# Altium PCB PC4-SODIMM_V200_RC_A1_20141015.PcbDoc (part 3 of 6)
Units mm, origin at the board's own origin, x right, y up, seen from the top; angles counter-clockwise.
Board outline 69.63 x 30.03 mm, 8 copper layers (TOP, SPLIT2, S3, VDD4, S5, S6, SPLIT7, BOTTOM), stack 1.2 mm thick; 199 components, 229 nets, 1321 pads, 785 vias.
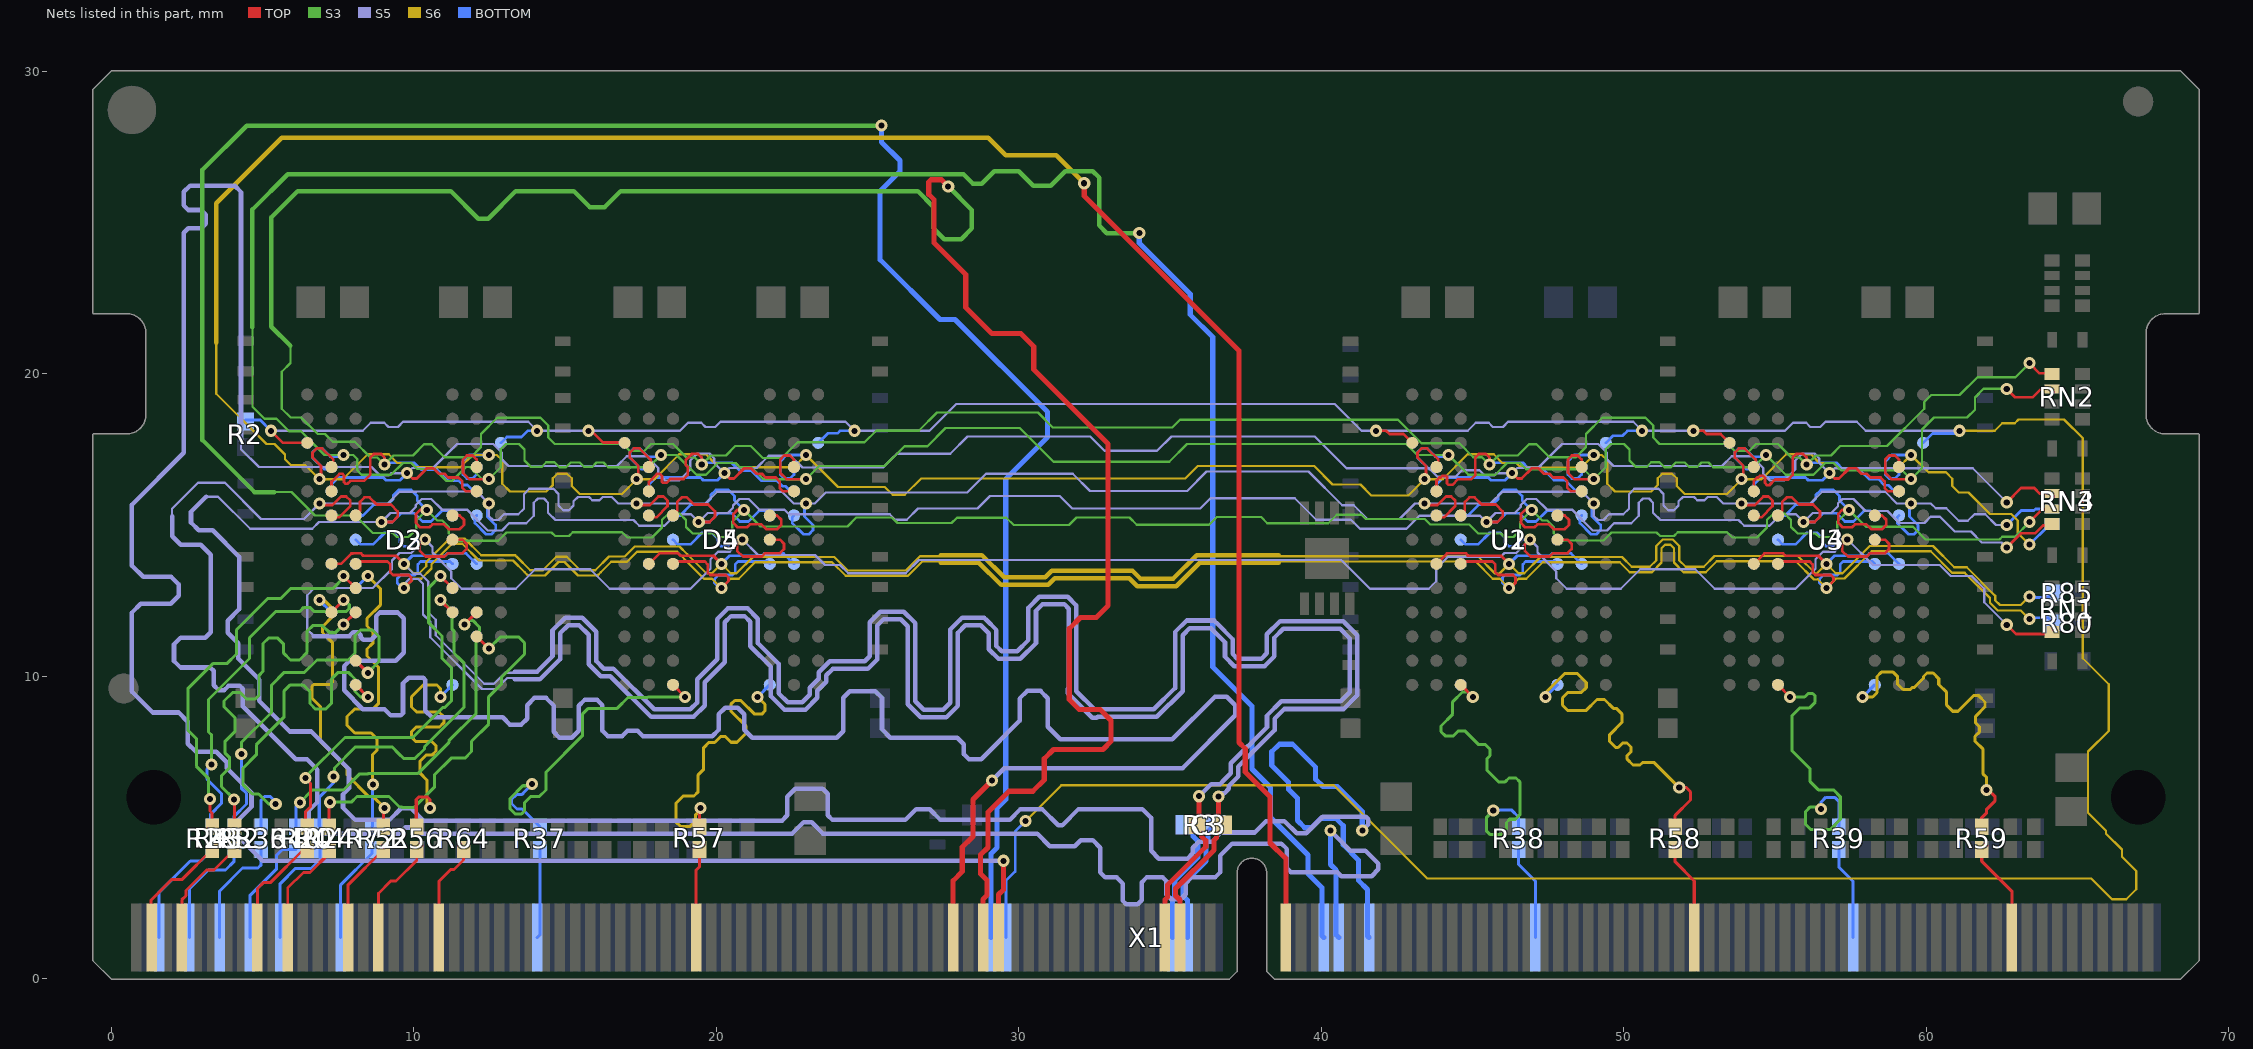
[diagram p9: the nets of this part, all layers, seen from the top]

## Via types
v1: diameter 0.4, hole 0.2, TOP to BOTTOM, tented both sides, 785 vias

## Nets (pads, with @x,y where several pads share a name; then routed paths per layer and width w, separated by ;. In a path a pad name is that pad's centre, name@x,y a point inside that pad or via, vN(x,y) a via of type N, cw(c..) or ccw(c..) an arc to the next point about the centre after c; other vN are vias at no path point) (continued)
A15: D2.H7 D3.H7 D4.H7 D5.H7 RN3.4 U1.H7 U2.H7 U3.H7 U4.H7 X1.156 | length 158.9
  TOP w0.09: D2.H7@8.073,15.317 8.212,15.456 8.212,15.768 8.362,15.918 8.531,15.918 8.769,15.68 9.235,15.68 9.461,15.454 9.461,15.276 9.285,15.1 v1(8.923,15.1) ; D4.H7@18.563,15.317 18.702,15.456 18.702,15.768 18.852,15.918 19.021,15.918 19.259,15.68 19.725,15.68 19.951,15.454 19.951,15.276 19.775,15.1 v1(19.413,15.1) ; U1.H7@44.603,15.317 44.742,15.456 44.742,15.768 44.892,15.918 45.061,15.918 45.299,15.68 45.765,15.68 45.991,15.454 45.991,15.276 45.815,15.1 v1(45.453,15.1) ; U3.H7@55.093,15.317 55.232,15.456 55.232,15.768 55.382,15.918 55.551,15.918 55.789,15.68 56.255,15.68 56.481,15.454 56.481,15.276 56.305,15.1 v1(55.943,15.1) ; v1(62.656,14.253) 63.136,14.733 63.599,14.733 63.855,14.989 64.134,14.989 RN3.4@64.149,14.974
  S5 w0.075: 3.126,15.94 3.523,15.94 4.583,14.88 6.635,14.88 6.856,15.1 v1(8.923,15.1) 9.226,15.403 9.864,15.403 10.06,15.598 10.06,15.666 10.255,15.861 10.573,15.861 10.924,15.511 11.752,15.511 12.441,14.822 12.907,14.822 13.142,15.057 13.714,15.057 13.963,15.306 13.963,15.74 14.101,15.878 14.295,15.878 14.433,15.74 14.433,15.411 14.678,15.166 17.254,15.166 17.446,14.974 18.285,14.974 18.667,15.356 19.157,15.356 v1(19.413,15.1) 19.716,15.403 20.378,15.403 20.55,15.575 20.55,15.649 20.763,15.861 21.063,15.861 21.414,15.511 22.242,15.511 22.398,15.355 25.727,15.355 25.904,15.178 26.291,15.178 26.66,15.547 28.628,15.547 29.04,15.959 31.352,15.959 31.764,15.547 35.993,15.547 36.331,15.886 39.12,15.886 39.827,15.178 40.976,15.178 41.275,14.88 42.809,14.88 43.241,15.312 45.241,15.312 v1(45.453,15.1) 45.755,15.403 46.394,15.403 46.59,15.598 46.59,15.666 46.785,15.861 47.103,15.861 47.454,15.511 48.282,15.511 48.971,14.822 49.437,14.822 49.672,15.057 50.244,15.057 50.493,15.306 50.493,15.74 50.631,15.878 50.825,15.878 50.963,15.74 50.963,15.411 51.208,15.166 53.784,15.166 53.976,14.974 54.815,14.974 55.197,15.356 55.687,15.356 v1(55.943,15.1) 56.246,15.403 56.857,15.403 57.081,15.626 57.081,15.718 57.224,15.861 57.593,15.861 57.987,15.468 58.712,15.468 59.108,15.072 59.935,15.072 60.143,15.279 60.443,15.279 60.939,14.784 61.476,14.784 61.833,14.427 62.482,14.427 v1(62.656,14.253)
  S5 w0.15: 3.126,15.94 2.628,15.442 2.628,15.083 2.882,14.829 3.344,14.829 4.216,13.957 4.216,12.219 3.839,11.842 3.839,11.442 4.193,11.088 4.193,10.589 4.889,9.893 4.889,9.185 5.898,8.176 6.609,8.176 7.852,6.933 7.852,6.3 7.653,6.101 7.653,5.659 8.06,5.252 9.19,5.252 9.576,5.638 9.909,5.638 10.295,5.252 10.322,5.225 22.168,5.225 22.345,5.402 22.345,6.021 22.602,6.278 23.519,6.278 23.679,6.118 23.679,5.409 23.836,5.252 26.246,5.252 26.598,5.604 27.052,5.604 27.404,5.252 29.69,5.252 30.05,5.612 30.764,5.612 31.295,5.081 31.438,5.081 31.969,5.612 34.075,5.612 34.369,5.318 34.369,4.228 34.623,3.974 35.572,3.974 35.751,4.153 35.751,4.336 35.952,4.537 36.381,4.537 36.681,4.837 37.793,4.837 38.167,5.211 38.778,5.211 39.181,4.808 39.494,4.808 40.045,5.359 41.466,5.359 41.551,5.274 41.551,5.101 v1(41.35,4.9)
  BOTTOM w0.09: v1(8.923,15.1) 9.285,15.1 9.58,15.395 10.004,15.395 10.284,15.115 10.562,15.115 10.919,15.472 11.118,15.472 D3.H7@11.273,15.317 ; v1(19.413,15.1) 19.775,15.1 20.07,15.395 20.494,15.395 20.774,15.115 21.052,15.115 21.409,15.472 21.608,15.472 D5.H7@21.763,15.317 ; v1(45.453,15.1) 45.815,15.1 46.11,15.395 46.534,15.395 46.814,15.115 47.092,15.115 47.449,15.472 47.648,15.472 U2.H7@47.803,15.317 ; v1(55.943,15.1) 56.305,15.1 56.6,15.395 57.024,15.395 57.304,15.115 57.582,15.115 57.939,15.472 58.138,15.472 U4.H7@58.293,15.317
  BOTTOM w0.17: v1(41.35,4.9) 41.35,5.53 40.525,6.355 40.049,6.355 39.809,6.595 39.809,6.996 39.049,7.756 38.611,7.756 38.359,7.504 38.359,7.056 38.914,6.501 38.914,6.266 39.21,5.97 39.21,5.23 39.446,4.994 39.673,4.994 39.989,5.31 40.47,5.31 40.72,5.06 40.72,4.43 41.22,3.93 41.22,3.26 41.523,2.957 41.523,1.417 X1.156@41.575,1.365
A16: D2.H8 D3.H8 D4.H8 D5.H8 RN4.2 U1.H8 U2.H8 U3.H8 U4.H8 X1.152 | length 151.9
  TOP w0.09: v1(6.873,15.717) 6.928,15.662 7.306,15.662 7.588,15.944 7.757,15.944 7.895,15.806 7.895,15.627 7.524,15.256 7.334,15.256 D2.H8@7.273,15.317 ; v1(17.363,15.717) 17.418,15.662 17.796,15.662 18.078,15.944 18.247,15.944 18.385,15.806 18.385,15.627 18.015,15.256 17.824,15.256 D4.H8@17.763,15.317 ; v1(43.403,15.717) 43.458,15.662 43.836,15.662 44.118,15.944 44.287,15.944 44.425,15.806 44.425,15.627 44.054,15.256 43.863,15.256 U1.H8@43.803,15.317 ; v1(53.893,15.717) 53.948,15.662 54.326,15.662 54.608,15.944 54.777,15.944 54.915,15.806 54.915,15.627 54.544,15.256 54.354,15.256 U3.H8@54.293,15.317
  S5 w0.075: 2.004,15.29 2.004,15.542 2.86,16.398 3.749,16.398 4.943,15.205 6.361,15.205 v1(6.873,15.717) 6.877,15.713 9.143,15.713 9.533,16.103 10.075,16.103 10.081,16.109 12.081,16.109 v1(12.473,15.717) 12.473,15.312 12.614,15.171 12.794,15.171 12.978,15.355 13.447,15.355 13.635,15.543 13.635,16.021 13.812,16.198 14.609,16.198 14.781,16.026 14.781,15.649 14.936,15.494 15.124,15.494 15.276,15.646 15.276,15.785 15.42,15.93 15.786,15.93 15.893,15.823 16.131,15.823 16.238,15.93 16.538,15.93 16.751,15.717 v1(17.363,15.717) 17.368,15.713 19.633,15.713 20.023,16.103 22.167,16.103 22.553,15.717 v1(22.963,15.717) 23.25,15.717 23.613,16.08 28.289,16.08 28.908,16.699 31.78,16.699 32.351,16.128 35.563,16.128 36.204,16.769 39.57,16.769 40.686,15.653 41.067,15.653 41.516,15.205 42.578,15.205 43.091,15.717 v1(43.403,15.717) 43.408,15.713 45.593,15.713 45.983,16.103 48.618,16.103 v1(49.003,15.717) 49.003,15.312 49.144,15.171 49.324,15.171 49.508,15.355 49.977,15.355 50.166,15.543 50.166,16.021 50.343,16.198 51.139,16.198 51.311,16.026 51.311,15.649 51.466,15.494 51.654,15.494 51.806,15.646 51.806,15.785 51.95,15.93 52.316,15.93 52.423,15.823 52.661,15.823 52.768,15.93 53.068,15.93 53.281,15.717 v1(53.893,15.717) 53.897,15.713 56.163,15.713 56.553,16.103 58.638,16.103 59.023,15.717 v1(59.493,15.717) 60.145,15.717 60.308,15.555 60.655,15.555 61.07,15.139 61.37,15.139 61.59,15.359 61.947,15.359 62.303,15.003 v1(62.656,15.003)
  S5 w0.15: 2.004,15.29 2.004,14.636 2.292,14.348 2.955,14.348 3.285,14.018 3.285,11.457 3.103,11.275 2.282,11.275 2.066,11.059 2.066,10.507 2.282,10.291 3.265,10.291 3.377,10.179 3.377,9.707 3.537,9.547 3.733,9.547 3.868,9.682 4.247,9.682 4.336,9.593 4.336,9.009 6.087,7.258 6.463,7.258 6.809,6.912 6.809,5.846 6.514,5.551 6.514,5.062 6.774,4.802 9.508,4.802 9.708,5.002 9.954,5.002 10.154,4.802 22.506,4.802 22.878,5.174 23.147,5.174 23.519,4.802 30.6,4.802 31.02,4.382 31.845,4.382 32.046,4.583 32.446,4.583 32.691,4.338 32.691,3.516 32.857,3.35 33.236,3.35 33.439,3.147 33.439,2.574 33.549,2.464 33.925,2.464 34.054,2.593 34.054,3.186 34.218,3.35 34.749,3.35 34.878,3.221 34.878,2.781 35.03,2.629 35.343,2.629 35.513,2.799 35.513,3.162 35.701,3.35 36.482,3.35 36.647,3.515 36.647,4.063 37.055,4.471 38.677,4.471 38.859,4.289 38.859,3.655 38.992,3.522 40.531,3.522 40.658,3.395 41.66,3.395 41.883,3.618 41.883,3.81 41.455,4.238 40.962,4.238 v1(40.3,4.9)
  BOTTOM w0.09: D3.H8@12.073,15.317 12.012,15.256 12.012,15.066 12.382,14.696 12.563,14.696 12.7,14.833 12.7,15.002 12.418,15.284 12.418,15.662 v1(12.473,15.717) ; D5.H8@22.563,15.317 22.502,15.256 22.502,15.066 22.872,14.696 23.053,14.696 23.19,14.833 23.19,15.002 22.908,15.284 22.908,15.662 v1(22.963,15.717) ; U2.H8@48.603,15.317 48.542,15.256 48.542,15.066 48.912,14.696 49.093,14.696 49.23,14.833 49.23,15.002 48.948,15.284 48.948,15.662 v1(49.003,15.717) ; U4.H8@59.093,15.317 59.032,15.256 59.032,15.066 59.402,14.696 59.583,14.696 59.72,14.833 59.72,15.002 59.438,15.284 59.438,15.662 v1(59.493,15.717) ; v1(62.656,15.003) 63.136,15.483 63.559,15.483 63.609,15.533 RN4.2@64.149,15.533
  BOTTOM w0.17: v1(40.3,4.9) 40.3,3.779 40.486,3.593 40.486,1.454 X1.152@40.575,1.365
ACT: D2.H3 D3.H3 D4.H3 D5.H3 RN3.3 U1.H3 U2.H3 U3.H3 U4.H3 X1.114 | length 158.2
  TOP w0.09: v1(10.423,15.499) 10.196,15.499 10.067,15.37 10.067,15.066 10.204,14.929 10.518,14.929 10.615,15.026 10.994,15.026 11.158,14.862 11.509,14.862 11.652,15.005 11.652,15.175 11.51,15.317 D2.H3@11.273,15.317 ; v1(20.913,15.499) 20.686,15.499 20.557,15.37 20.557,15.066 20.694,14.929 21.008,14.929 21.105,15.026 21.484,15.026 21.648,14.862 21.999,14.862 22.142,15.005 22.142,15.175 22,15.317 D4.H3@21.763,15.317 ; v1(46.953,15.499) 46.726,15.499 46.597,15.37 46.597,15.066 46.734,14.929 47.048,14.929 47.145,15.026 47.524,15.026 47.688,14.862 48.039,14.862 48.182,15.005 48.182,15.175 48.04,15.317 U1.H3@47.803,15.317 ; v1(57.443,15.499) 57.216,15.499 57.087,15.37 57.087,15.066 57.224,14.929 57.538,14.929 57.635,15.026 58.014,15.026 58.178,14.862 58.529,14.862 58.672,15.005 58.672,15.175 58.53,15.317 U3.H3@58.293,15.317 ; v1(63.406,15.103) 63.816,15.513 64.129,15.513 RN3.3@64.149,15.533
  S3 w0.075: 5.381,16.092 5.952,16.092 6.727,15.317 8.056,15.317 8.636,14.738 9.299,14.738 9.435,14.602 9.823,14.602 10.073,14.852 10.073,15.149 v1(10.423,15.499) 10.773,15.149 10.931,15.149 11.146,14.934 11.146,14.729 11.393,14.482 12.785,14.482 13.06,14.757 14.545,14.757 14.667,14.635 15.125,14.635 15.252,14.762 16.879,14.762 17.054,14.587 17.872,14.587 18.202,14.917 18.202,15.173 18.405,15.376 18.79,15.376 18.994,15.172 18.994,14.939 19.213,14.72 19.901,14.72 20.019,14.602 20.313,14.602 20.526,14.815 20.526,15.112 v1(20.913,15.499) 21.456,14.956 24.328,14.956 24.62,15.249 25.799,15.249 25.981,15.066 27.771,15.066 27.948,15.243 29.584,15.243 29.827,15 31.651,15 31.905,15.254 33.652,15.254 33.895,15.011 36.283,15.011 36.537,15.265 38.008,15.265 38.212,15.061 40.224,15.061 40.506,15.343 41.323,15.343 41.461,15.205 43.419,15.205 43.601,15.022 44.884,15.022 45.187,14.72 45.936,14.72 46.053,14.603 46.353,14.603 46.565,14.815 46.565,15.112 v1(46.953,15.499) 47.303,15.149 47.461,15.149 47.676,14.934 47.676,14.729 47.915,14.49 49.323,14.49 49.59,14.757 51.075,14.757 51.197,14.635 51.655,14.635 51.782,14.762 53.409,14.762 53.584,14.587 54.402,14.587 54.732,14.917 54.732,15.173 54.935,15.376 55.32,15.376 55.524,15.172 55.524,14.939 55.744,14.72 56.337,14.72 56.455,14.602 56.843,14.602 57.056,14.815 57.056,15.112 v1(57.443,15.499) 58.001,14.941 59.554,14.941 59.973,14.522 62.412,14.522 62.506,14.616 62.919,14.616 v1(63.406,15.103)
  S3 w0.15: 5.381,16.092 4.727,16.092 3.008,17.811 3.008,26.744 4.469,28.205 v1(25.45,28.205)
  BOTTOM w0.09: D3.H3@8.073,15.317 8.312,15.317 8.675,15.68 9.127,15.68 9.318,15.871 9.318,15.987 9.496,16.165 9.902,16.165 10.107,15.96 10.107,15.815 v1(10.423,15.499) ; D5.H3@18.563,15.317 18.802,15.317 19.165,15.68 19.617,15.68 19.808,15.871 19.808,15.987 19.986,16.165 20.392,16.165 20.597,15.96 20.597,15.815 v1(20.913,15.499) ; U2.H3@44.603,15.317 44.842,15.317 45.205,15.68 45.657,15.68 45.848,15.871 45.848,15.987 46.026,16.165 46.432,16.165 46.637,15.96 46.637,15.815 v1(46.953,15.499) ; U4.H3@55.093,15.317 55.332,15.317 55.695,15.68 56.147,15.68 56.338,15.871 56.338,15.987 56.516,16.165 56.922,16.165 57.127,15.96 57.127,15.815 v1(57.443,15.499)
  BOTTOM w0.17: v1(25.45,28.205) 25.45,27.665 26.065,27.05 26.065,26.7 25.411,26.046 25.411,23.771 27.386,21.796 27.887,21.796 30.949,18.734 30.949,17.909 29.562,16.522 29.562,5.926 29.28,5.644 29.28,4.341 29.075,4.136 X1.114@29.075,1.365
ALERT: D2.L9 D3.L9 D4.L9 D5.L9 R2.1 U1.L9 U2.L9 U3.L9 U4.L9 X1.116 | length 133.6
  TOP w0.09: v1(5.273,18.117) 5.673,17.717 D2.L9@6.473,17.717 ; v1(15.763,18.117) 15.866,18.117 16.251,17.732 16.948,17.732 D4.L9@16.963,17.717 ; v1(41.803,18.117) 42.142,18.117 42.247,18.012 42.708,18.012 U1.L9@43.003,17.717 ; v1(52.293,18.117) 52.632,18.117 52.737,18.012 53.198,18.012 U3.L9@53.493,17.717
  S5 w0.075: v1(5.273,18.117) 8.305,18.117 8.568,18.38 9.021,18.38 9.156,18.244 9.473,18.244 9.641,18.412 13.778,18.412 v1(14.073,18.117) v1(15.763,18.117) 18.795,18.117 19.058,18.38 19.501,18.38 19.636,18.244 19.963,18.244 20.131,18.412 24.268,18.412 v1(24.563,18.117) 27.042,18.117 27.926,19.001 40.439,19.001 41.323,18.117 v1(41.803,18.117) 44.835,18.117 45.098,18.38 45.529,18.38 45.664,18.244 46.003,18.244 46.171,18.412 50.308,18.412 v1(50.603,18.117) v1(52.293,18.117) 55.325,18.117 55.588,18.38 56.026,18.38 56.161,18.244 56.493,18.244 56.661,18.412 57.7,18.412 57.995,18.117 v1(61.093,18.117)
  S6 w0.075: v1(30.216,5.212) 31.403,6.399 40.414,6.399 43.5,3.313 65.45,3.313 66.133,2.63 66.605,2.63 66.937,2.962 66.937,3.56 66.463,4.034 66.463,4.276 65.94,4.798 65.94,4.892 65.343,5.489 65.343,7.515 66.025,8.196 66.025,9.738 65.165,10.598 65.165,17.877 64.551,18.491 63.043,18.491 62.918,18.366 62.506,18.366 62.257,18.117 v1(61.093,18.117)
  BOTTOM w0.09: R2.1@4.428,18.473 4.917,18.473 v1(5.273,18.117) ; D3.L9@12.873,17.717 13.069,17.913 13.554,17.913 13.758,18.117 v1(14.073,18.117) ; D5.L9@23.363,17.717 23.678,18.032 23.997,18.032 24.082,18.117 v1(24.563,18.117) ; X1.116@29.575,1.365 29.575,3.25 29.874,3.549 29.874,4.87 v1(30.216,5.212) ; U2.L9@49.403,17.717 49.639,17.953 49.958,17.953 50.122,18.117 v1(50.603,18.117) ; U4.L9@59.893,17.717 60.201,18.025 60.923,18.025 61.015,18.117 v1(61.093,18.117)
BA0: D2.K2 D3.K2 D4.K2 D5.K2 RN2.2 U1.K2 U2.K2 U3.K2 U4.K2 X1.150 | length 153.4
  TOP w0.09: D2.K2@12.073,16.917 12.073,17.168 11.943,17.298 11.747,17.298 11.618,17.169 11.618,16.725 11.826,16.517 v1(12.473,16.517) ; D4.K2@22.563,16.917 22.563,17.168 22.433,17.298 22.237,17.298 22.108,17.169 22.108,16.725 22.316,16.517 v1(22.963,16.517) ; U1.K2@48.603,16.917 48.603,17.168 48.473,17.298 48.277,17.298 48.148,17.169 48.148,16.725 48.356,16.517 v1(49.003,16.517) ; U3.K2@59.093,16.917 59.093,17.168 58.963,17.298 58.767,17.298 58.638,17.169 58.638,16.725 58.846,16.517 v1(59.493,16.517) ; v1(62.656,19.503) 62.936,19.223 63.514,19.223 63.766,19.475 64.121,19.475 RN2.2@64.149,19.503
  S3 w0.075: 4.66,21.539 4.66,18.914 5.057,18.517 5.453,18.517 5.869,18.101 6.261,18.101 7.045,17.317 v1(7.673,17.317) 7.996,17.317 8.126,17.187 8.126,16.805 8.268,16.663 9.243,16.663 9.633,17.053 9.913,17.053 10.11,16.855 10.68,16.855 11.079,16.456 11.254,16.456 11.719,16.921 11.849,16.921 12.253,16.517 v1(12.473,16.517) 12.866,16.91 12.866,17.512 13.036,17.682 13.473,17.682 13.655,17.5 13.655,17.136 13.867,16.924 14.225,16.924 14.374,17.073 14.649,17.073 14.812,16.91 15.024,16.91 15.181,17.067 15.484,17.067 15.622,16.929 15.894,16.929 16.032,17.067 16.262,17.067 16.419,16.91 17.756,16.91 v1(18.163,17.317) 18.683,17.317 19.337,16.663 19.653,16.663 20.043,17.053 20.632,17.053 20.773,16.912 21.158,16.912 21.552,16.517 v1(22.963,16.517) 23.4,16.954 25.558,16.954 26.213,17.609 26.976,17.609 27.573,18.206 30.026,18.206 31.14,17.092 34.97,17.092 35.558,17.679 42.807,17.679 43.169,17.317 v1(44.203,17.317) 44.857,16.663 45.744,16.663 46.134,17.053 46.566,17.053 46.774,16.845 48.675,16.845 v1(49.003,16.517) 49.396,16.91 49.396,17.512 49.566,17.682 50.003,17.682 50.185,17.5 50.185,17.136 50.397,16.924 50.755,16.924 50.904,17.073 51.179,17.073 51.342,16.91 51.554,16.91 51.711,17.067 52.014,17.067 52.152,16.929 52.424,16.929 52.562,17.067 52.792,17.067 52.949,16.91 54.286,16.91 v1(54.693,17.317) 55.347,16.663 56.263,16.663 56.653,17.053 56.933,17.053 57.18,16.805 59.205,16.805 v1(59.493,16.517) 59.855,16.88 59.855,18.157 60.253,18.555 61.345,18.555 61.604,18.813 61.604,19.22 61.887,19.503 v1(62.656,19.503)
  S3 w0.15: 4.66,21.539 4.66,25.432 5.826,26.598 28.166,26.598 28.479,26.286 28.767,26.286 29.182,26.7 29.989,26.7 30.475,26.214 31.048,26.214 31.534,26.7 32.44,26.7 32.651,26.489 32.651,24.906 32.906,24.651 v1(33.978,24.651)
  BOTTOM w0.09: D3.K2@7.273,16.917 7.212,16.856 7.022,16.856 6.652,17.226 6.652,17.407 6.789,17.544 6.958,17.544 7.24,17.262 7.618,17.262 v1(7.673,17.317) ; D5.K2@17.763,16.917 17.702,16.856 17.512,16.856 17.142,17.226 17.142,17.407 17.279,17.544 17.448,17.544 17.73,17.262 18.108,17.262 v1(18.163,17.317) ; U2.K2@43.803,16.917 43.742,16.856 43.552,16.856 43.182,17.226 43.182,17.407 43.319,17.544 43.488,17.544 43.77,17.262 44.148,17.262 v1(44.203,17.317) ; U4.K2@54.293,16.917 54.232,16.856 54.042,16.856 53.672,17.226 53.672,17.407 53.809,17.544 53.978,17.544 54.26,17.262 54.638,17.262 v1(54.693,17.317)
  BOTTOM w0.17: v1(33.978,24.651) 33.978,24.325 35.665,22.638 35.665,21.956 36.408,21.213 36.408,10.31 37.705,9.013 37.705,6.933 38.317,6.321 38.317,5.332 39.555,4.094 39.555,3.471 40.014,3.012 40.014,1.426 X1.150@40.075,1.365
BA1: D2.K8 D3.K8 D4.K8 D5.K8 RN4.1 U1.K8 U2.K8 U3.K8 U4.K8 X1.145 | length 153.9
  TOP w0.09: v1(6.873,16.517) 6.928,16.572 6.928,16.95 6.646,17.232 6.646,17.401 6.783,17.538 6.964,17.538 7.334,17.168 7.334,16.978 D2.K8@7.273,16.917 ; v1(17.363,16.517) 17.418,16.572 17.418,16.95 17.136,17.232 17.136,17.401 17.273,17.538 17.454,17.538 17.824,17.168 17.824,16.978 D4.K8@17.763,16.917 ; v1(43.403,16.517) 43.458,16.572 43.458,16.95 43.176,17.232 43.176,17.401 43.313,17.538 43.494,17.538 43.864,17.168 43.864,16.978 U1.K8@43.803,16.917 ; v1(53.893,16.517) 53.948,16.572 53.948,16.95 53.666,17.232 53.666,17.401 53.803,17.538 53.984,17.538 54.354,17.168 54.354,16.978 U3.K8@54.293,16.917
  TOP w0.17: v1(32.157,26.3) 32.157,25.883 37.276,20.763 37.276,7.808 37.479,7.605 37.479,6.84 38.302,6.017 38.302,4.493 38.825,3.97 X1.145@38.825,1.365
  S6 w0.075: 3.461,21.03 3.461,19.342 5.123,17.68 5.387,17.68 5.736,17.332 5.736,17.177 5.933,16.98 6.41,16.98 v1(6.873,16.517) 7.649,16.517 8.47,17.338 9.163,17.338 9.448,17.053 9.913,17.053 10.054,16.912 11.529,16.912 11.935,17.317 v1(12.473,17.317) 12.739,17.317 12.917,17.139 12.917,16.367 13.174,16.11 14.376,16.11 14.592,16.325 14.592,16.551 14.741,16.7 15.062,16.7 15.217,16.545 15.217,16.29 15.479,16.028 16.874,16.028 v1(17.363,16.517) 17.948,16.517 18.769,17.338 19.653,17.338 19.938,17.053 20.632,17.053 20.773,16.912 22.557,16.912 v1(22.963,17.317) 24.019,16.261 25.566,16.261 25.828,15.999 26.228,15.999 26.77,16.541 35.498,16.541 35.909,16.952 39.759,16.952 40.368,16.343 41.287,16.343 41.649,15.981 42.867,15.981 v1(43.403,16.517) 44.01,16.517 44.83,17.338 45.693,17.338 45.978,17.053 46.443,17.053 46.595,16.9 48.586,16.9 v1(49.003,17.317) 49.269,17.317 49.447,17.139 49.447,16.367 49.705,16.11 50.906,16.11 51.122,16.325 51.122,16.551 51.271,16.7 51.592,16.7 51.747,16.545 51.747,16.29 52.008,16.028 53.404,16.028 v1(53.893,16.517) 54.548,16.517 55.369,17.338 56.183,17.338 56.468,17.053 56.933,17.053 57.11,16.875 59.051,16.875 v1(59.493,17.317) 60.067,16.743 60.648,16.743 60.858,16.534 60.858,16.292 61.07,16.08 61.389,16.08 62.103,15.366 62.806,15.366 63.018,15.153 63.018,14.741 v1(63.406,14.353)
  S6 w0.15: 3.461,21.03 3.461,25.64 5.626,27.805 28.985,27.805 29.563,27.227 31.23,27.227 v1(32.157,26.3)
  BOTTOM w0.09: D3.K8@12.073,16.917 12.073,16.666 11.943,16.536 11.747,16.536 11.618,16.665 11.618,17.109 11.826,17.317 v1(12.473,17.317) ; D5.K8@22.563,16.917 22.563,16.666 22.433,16.536 22.237,16.536 22.108,16.665 22.108,17.109 22.316,17.317 v1(22.963,17.317) ; U2.K8@48.603,16.917 48.603,16.666 48.473,16.536 48.277,16.536 48.148,16.665 48.148,17.109 48.356,17.317 v1(49.003,17.317) ; U4.K8@59.093,16.917 59.093,16.666 58.963,16.536 58.767,16.536 58.638,16.665 58.638,17.109 58.846,17.317 v1(59.493,17.317) ; v1(63.406,14.353) 64.027,14.974 RN4.1@64.149,14.974
BG0: D2.J2 D3.J2 D4.J2 D5.J2 RN3.2 U1.J2 U2.J2 U3.J2 U4.J2 X1.115 | length 158.3
  TOP w0.09: v1(9.773,16.715) 9.948,16.54 10.091,16.54 10.43,16.879 10.649,16.879 10.832,16.696 11.006,16.696 11.13,16.572 11.469,16.572 11.6,16.441 11.6,16.232 11.715,16.117 D2.J2@12.073,16.117 ; v1(20.263,16.715) 20.438,16.54 20.581,16.54 20.92,16.879 21.139,16.879 21.322,16.696 21.496,16.696 21.62,16.572 21.959,16.572 22.09,16.441 22.09,16.232 22.205,16.117 D4.J2@22.563,16.117 ; v1(46.303,16.715) 46.478,16.54 46.621,16.54 46.96,16.879 47.179,16.879 47.362,16.696 47.536,16.696 47.66,16.572 47.999,16.572 48.13,16.441 48.13,16.232 48.245,16.117 U1.J2@48.603,16.117 ; v1(56.793,16.715) 56.968,16.54 57.111,16.54 57.45,16.879 57.669,16.879 57.852,16.696 58.026,16.696 58.15,16.572 58.489,16.572 58.62,16.441 58.62,16.232 58.735,16.117 U3.J2@59.093,16.117 ; v1(62.656,15.753) 63.126,16.223 63.564,16.223 63.744,16.043 64.147,16.043 RN3.2@64.149,16.041
  TOP w0.17: X1.115@29.325,1.365 29.325,2.783 29.485,2.943 v1(29.485,3.902)
  S5 w0.075: 4.281,17.786 4.281,17.509 4.873,16.917 8.593,16.917 8.873,16.637 9.169,16.637 9.247,16.715 v1(9.773,16.715) 9.944,16.887 10.633,16.887 11.425,17.679 12.623,17.679 12.91,17.392 12.91,17.167 13.123,16.954 16.713,16.954 17.033,17.275 17.693,17.275 18.077,16.89 18.077,16.699 18.302,16.474 18.772,16.474 19.133,16.835 19.133,17.133 19.363,17.363 19.771,17.363 19.93,17.204 19.93,17.048 v1(20.263,16.715) 20.435,16.887 21.322,16.887 21.73,17.294 22.454,17.294 22.841,16.907 25.511,16.907 25.959,17.355 27.728,17.355 28.298,17.925 32.358,17.925 32.829,17.454 34.567,17.454 35.042,17.929 39.779,17.929 40.829,16.88 43.553,16.88 43.836,16.597 44.429,16.597 44.645,16.813 45.227,16.813 45.403,16.638 45.703,16.638 45.781,16.715 v1(46.303,16.715) 46.474,16.887 47.162,16.887 47.955,17.679 49.153,17.679 49.441,17.392 49.441,17.167 49.653,16.954 53.243,16.954 53.563,17.275 54.223,17.275 54.607,16.89 54.607,16.699 54.832,16.474 55.302,16.474 55.663,16.835 55.663,17.133 55.893,17.363 56.301,17.363 56.46,17.204 56.46,17.048 v1(56.793,16.715) 56.957,16.88 61.53,16.88 v1(62.656,15.753)
  S5 w0.15: 4.281,17.786 4.281,26.01 4.071,26.22 2.597,26.22 2.391,26.014 2.391,25.716 2.391,25.566 2.541,25.416 2.966,25.416 3.116,25.266 3.116,24.966 2.966,24.816 2.541,24.816 2.391,24.666 2.391,24.638 2.391,17.388 0.677,15.674 0.677,13.657 1.047,13.287 1.969,13.287 2.219,13.037 2.219,12.662 1.959,12.402 0.971,12.402 0.677,12.108 0.677,9.489 1.362,8.804 2.22,8.804 2.524,8.5 2.524,7.775 2.794,7.505 3.461,7.505 3.806,7.16 3.806,6.969 4.629,6.146 4.629,5.687 4.15,5.208 4.15,4.746 4.994,3.902 v1(29.485,3.902)